# Altium PCB PCB1.PcbDoc (part 2 of 2)
Units mm, origin at the board's own origin, x right, y up, seen from the top; angles counter-clockwise.
Board outline 59.4 x 101.17 mm, 4 copper layers (Top Layer, Layer 1, Layer 2, Bottom Layer), stack 0.815 mm thick; 147 components, 75 nets, 963 pads, 627 vias.
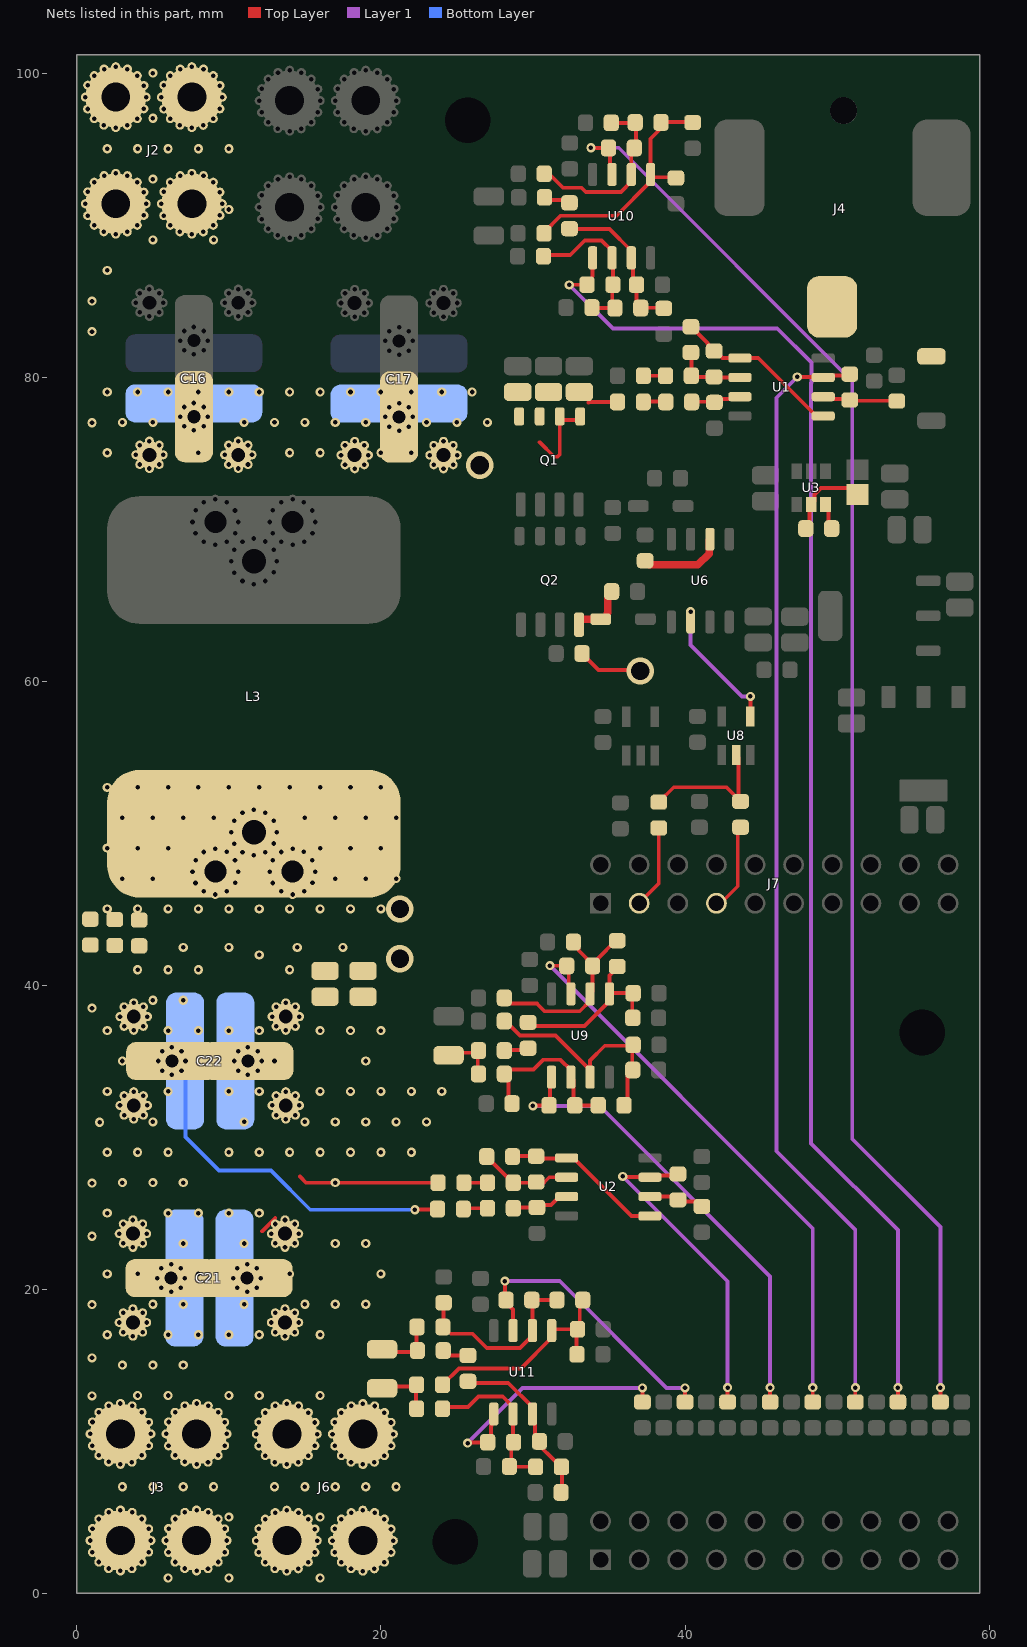
[diagram p4: the nets of this part, all layers, seen from the top]

## Via types
v1: diameter 0.6, hole 0.3, Top Layer to Bottom Layer, 610 vias
v2: diameter 1.8, hole 1.2, Top Layer to Bottom Layer, 17 vias

## Nets (pads, with @x,y where several pads share a name; then routed paths per layer and width w, separated by ;. In a path a pad name is that pad's centre, name@x,y a point inside that pad or via, vN(x,y) a via of type N, cw(c..) or ccw(c..) an arc to the next point about the centre after c; other vN are vias at no path point) (continued)
LO_2: D3.2 Q2.4 R24.2 R26.2 | length 7.9
  Top Layer w0.254: Q2.4@33.03,63.925 Q2.4@33.188,64.083 ; R24.2@33.225,61.825 34.319,60.731 36.994,60.731 v2(37.05,60.675)
  Top Layer w0.5: Q2.4@33.03,63.925 33.105,63.85 Q2.4@33.105,63.575 ; Q2.4@33.188,64.083 D3.2@34.452,64.083 34.747,64.083 34.883,64.219 34.883,64.485 34.91,64.512 R26.2@34.91,65.441
LPWM: LO1.1 LO2.1 U8.2 | length 9.1
  Top Layer w0.254: LO1.1@38.275,52.05 39.256,53.031 42.719,53.031 LO2.1@43.508,52.242 ; U8.2@43.366,55.143 43.508,55.002 LO2.1@43.508,52.242 ; LO2.1@43.65,52.1 LO2.1@43.508,52.242
LPWM1: J7.03 LO1.2 | length 5.5
  Top Layer w0.254: J7.03@36.985,45.4 38.275,46.69 LO1.2@38.275,50.35
LPWM2: J7.07 LO2.2 | length 5.8
  Top Layer w0.254: J7.07@42.065,45.4 42.35,45.4 43.468,46.518 43.468,50.218 LO2.2@43.65,50.4
LPWM_5V: U6.6 U8.4 | length 8.9
  Top Layer w0.254: v1(44.3,59) 44.303,58.997 44.303,57.687 U8.4@44.306,57.683
  Layer 1 w0.254: v1(40.371,64.584) 40.371,62.379 43.75,59 v1(44.3,59)
NetC1_1: C1.1 R1.1 R4.2 U1.2 | length 4.8
  Top Layer w0.254: C1.1@40.387,81.619 40.424,81.581 40.424,80.101 R4.2@40.412,80.088 40.481,80.019 R1.1@41.912,80.019 ; R1.1@41.941,79.979 43.604,79.979 U1.2@43.61,79.985
NetC1_2: C1.2 R1.2 U1.1 U1.5 | length 11.1
  Top Layer w0.254: C1.2@40.387,83.319 40.42,83.319 40.81,82.929 40.81,82.914 41.489,82.235 41.489,82.209 41.912,81.786 R1.2@41.912,81.719 ; R1.2@42,81.724 42.469,81.255 U1.1@43.61,81.255 44.82,81.255 48.63,77.445 U1.5@49.09,77.445
NetC4_1: C4.1 R10.1 R13.2 U2.2 | length 6
  Top Layer w0.254: C4.1@26.96,28.74 26.96,28.707 27.349,28.317 27.383,28.317 28.262,27.439 28.32,27.439 28.71,27.049 R13.2@28.71,27.016 30.16,27.016 R10.1@30.21,27.065 ; R10.1@30.51,26.816 31.074,27.38 U2.2@32.215,27.38
NetC4_2: C4.2 R10.2 U2.1 U2.5 | length 10.5
  Top Layer w0.254: C4.2@28.66,28.74 28.697,28.778 30.197,28.778 R10.2@30.21,28.765 R10.2@30.302,28.857 ; R10.2@30.528,28.608 32.173,28.608 U2.1@32.215,28.65 32.675,28.65 36.485,24.84 U2.5@37.695,24.84
NetC10_1: C10.1 U3.6 | length 2
  Top Layer w0.254: U3.6@49.241,71.619 49.445,71.415 49.445,70.239 C10.1@49.816,69.868
NetC10_2: C10.2 L1.1 U3.5 | length 5.8
  Top Layer w0.254: C10.2@48.116,69.868 48.178,69.931 48.178,71.506 48.509,71.837 48.509,72.14 48.51,72.141 48.51,72.277 48.951,72.719 50.912,72.719 L1.1@51.35,72.28
NetC26_1: C26.1 U6.2 | length 5.6
  Top Layer w0.5: C26.1@37.375,67.925 37.65,67.65 40.84,67.65 41.591,68.4 41.591,69.294 U6.2@41.641,69.344
NetC29_2: C29.2 C31.1 R27.1 R28.2 U9.2 | length 11
  Top Layer w0.254: R28.2@28.118,34.301 R28.2@28.291,34.473 ; R28.2@28.179,34.114 R28.2@28.118,34.176 28.4,33.894 28.4,32.45 C29.2@28.625,32.225 C29.2@28.664,32.264 ; R28.2@28.409,34.473 30.042,34.473 30.672,35.104 31.81,35.104 32.491,34.423 U9.2@32.491,33.963 32.664,33.79 R27.1@32.664,32.347 ; R27.1@32.664,32.197 R27.1@32.753,32.108 32.755,32.11 34.288,32.11 C31.1@34.291,32.113
NetC31_2: C31.2 C32.1 R31.2 R32.2 U9.3 | length 15.2
  Top Layer w0.254: R31.2@28.236,37.615 29.149,36.703 31.481,36.703 U9.3@33.761,34.423 ; U9.3@33.761,33.963 U9.3@33.761,34.423 ; C31.2@35.991,32.113 36.22,32.342 36.22,33.044 36.222,33.046 36.222,34.094 R32.2@36.566,34.438 ; R32.2@36.528,34.475 36.528,36.025 34.725,36.025 33.761,35.061 U9.3@33.761,34.423
NetC34_2: C34.2 C37.1 R33.1 R35.2 U9.6 | length 13
  Top Layer w0.254: R35.2@28.118,39.127 R35.2@28.443,38.801 ; R35.2@28.562,38.801 30.274,38.801 ; 30.274,38.79 30.763,38.302 33.08,38.302 33.761,38.983 U9.6@33.761,39.443 33.918,39.6 R33.1@33.918,41.09 ; C34.2@32.745,42.935 C34.2@32.661,42.851 32.577,42.766 32.679,42.766 33.008,42.437 33.008,42.296 33.923,41.381 R33.1@33.923,41.281 34.27,41.628 34.27,41.768 35.441,42.938 C37.1@35.541,42.938
NetC35_2: C35.2 C39.1 R34.1 R39.2 U10.2 | length 10
  Top Layer w0.254: R39.2@30.944,88.042 32.455,88.042 33.404,88.99 34.516,88.99 35.197,88.309 U10.2@35.197,87.849 35.266,87.78 R34.1@35.266,86.171 ; C35.2@33.875,84.575 C35.2@33.879,84.579 ; C35.2@33.911,84.543 35.386,84.543 C39.1@35.39,84.547 ; C39.1@35.212,84.73 35.212,86.039 R34.1@35.256,86.083 R34.1@35.237,86.102
NetC37_2: C37.2 C38.1 R38.2 R43.2 U9.5 | length 11.7
  Top Layer w0.254: R38.2@29.672,37.564 R38.2@29.869,37.367 ; R38.2@30.021,37.338 33.386,37.338 35.031,38.983 U9.5@35.031,39.443 ; C37.2@35.541,41.238 35.541,41.171 35.031,40.661 U9.5@35.031,39.443 ; R43.2@36.566,37.863 36.528,37.9 36.528,39.425 C38.1@36.591,39.488 35.076,39.488 U9.5@35.031,39.443
NetC39_2: C39.2 C41.1 R42.2 R45.2 U10.3 | length 9.7
  Top Layer w0.254: R42.2@32.53,89.747 35.029,89.747 36.467,88.309 U10.3@36.467,87.849 36.589,87.728 C41.1@36.589,86.324 ; C41.1@36.559,86.254 36.799,86.014 C39.2@36.799,84.754 ; C39.2@37.09,84.547 37.104,84.561 38.564,84.561 R45.2@38.6,84.525
NetC43_2: C43.2 C46.1 R46.1 R48.2 U11.2 | length 10.6
  Top Layer w0.254: R48.2@24.47,12.268 25.738,12.268 26.425,12.955 28.011,12.955 28.692,12.274 U11.2@28.692,11.814 28.692,10.125 R46.1@28.55,9.983 ; R46.1@28.6,9.958 28.575,9.933 28.575,8.483 C43.2@28.45,8.358 28.462,8.345 30.162,8.345 C46.1@30.175,8.333 ; R46.1@29.029,10.272 R46.1@29.09,10.211
NetC45_2: C45.2 C47.1 R47.1 R50.2 U10.6 | length 11.4
  Top Layer w0.254: R50.2@30.738,93.374 R50.2@30.798,93.374 ; R50.2@30.908,93.519 31.968,92.459 33.199,92.459 33.47,92.188 35.786,92.188 36.467,92.869 U10.6@36.467,93.329 R47.1@36.467,94.692 ; C45.2@35.164,96.711 36.559,96.711 36.765,96.505 36.765,95.172 R47.1@36.665,95.072
NetC46_2: C46.2 C48.1 R52.2 R56.2 U11.3 | length 11.4
  Top Layer w0.254: R52.2@25.722,13.958 R52.2@25.939,13.958 ; R52.2@25.906,13.958 26.006,13.858 28.378,13.858 29.962,12.274 29.962,11.341 30.132,11.172 30.132,10.396 30.292,10.236 C48.1@30.39,10.236 ; C48.1@30.275,9.983 30.275,9.883 31.478,8.68 31.561,8.68 31.875,8.366 C46.2@31.875,8.333 31.914,8.294 31.914,6.715 R56.2@31.852,6.654 R56.2@31.877,6.629
NetC47_2: C47.2 C50.1 R54.2 R57.2 U10.5 | length 16.5
  Top Layer w0.254: R54.2@30.724,89.456 30.724,89.523 31.817,90.616 35.484,90.616 37.737,92.869 U10.5@37.737,93.321 ; U10.5@37.909,93.735 U10.5@37.737,93.563 ; C47.2@38.425,96.75 38.45,96.775 40.475,96.775 R57.2@40.5,96.75 R57.2@40.525,96.775 ; C47.2@38.465,96.505 38.465,96.405 37.737,95.678 U10.5@37.737,93.563 ; C50.1@39.4,93.1 39.35,93.15 37.909,93.15 U10.5@37.737,93.321 ; U10.5@37.737,93.321 U10.5@37.737,93.329 U10.5@37.737,93.563
NetC52_2: C52.2 C53.1 R58.1 R59.2 U11.6 | length 11.5
  Top Layer w0.254: R59.2@24.075,17.533 24.125,17.583 24.125,19.1 24.113,19.113 C52.2@24.125,19.125 ; 24.597,17.088 26.029,17.088 26.964,16.153 29.156,16.153 U11.6@29.716,16.713 ; U11.6@29.962,16.834 U11.6@29.962,17.294 29.969,17.3 29.969,19.264 R58.1@29.925,19.308 C53.1@31.575,19.308
NetC53_2: C53.2 C54.1 R61.2 R62.2 U11.5 | length 14
  Top Layer w0.254: R61.2@24.05,13.733 25.125,14.808 29.206,14.808 U11.5@31.232,16.834 ; U11.5@31.232,17.294 31.321,17.383 C54.1@32.925,17.383 ; R62.2@32.9,15.733 32.862,15.77 32.862,17.32 C54.1@32.925,17.383 ; C53.2@33.275,19.308 33.075,19.108 33.075,17.533 C54.1@32.925,17.383
NetD1_1: D1.1 J4.1
NetL3_1: L3.1 R20.1 R22.1 R23.1
  other v1: 2,45.025 4,45.025 6,45.025 8,45.025 10,45.025 12,45.025 14,45.025 16,45.025 18,45.025 20,45.025 3,47.025 5,47.025 17,47.025 19,47.025 21,47.025 2,49.025 4,49.025 6,49.025 16,49.025 18,49.025 20,49.025 3,51.025 5,51.025 7,51.025 9,51.025 15,51.025 17,51.025 19,51.025 21,51.025 2,53.025 4,53.025 6,53.025 8,53.025 10,53.025 12,53.025 14,53.025 16,53.025 18,53.025 20,53.025
  other v2: 21.25,45.025
NetR2_1: R2.1 R5.2 U1.6 | length 4.8
  Top Layer w0.254: U1.6@49.09,78.715 49.238,78.567 R2.1@50.639,78.567 ; R2.1@50.739,78.592 R2.1@50.837,78.494 50.887,78.444 53.819,78.444 R5.2@53.875,78.5
NetR2_2: R2.2 R6.1 U1.7 | length 74.2
  Top Layer w0.254: v1(47.381,80.019) 47.398,80.002 49.073,80.002 U1.7@49.09,79.985 49.207,80.102 R2.2@50.67,80.102 ; R2.2@50.77,80.127 R2.2@50.837,80.194 R2.2@51.184,80.541 ; R6.1@51.2,12.6 v1(51.2,13.55)
  Layer 1 w0.254: v1(47.381,80.019) 46.008,78.646 46.008,29.092 51.2,23.9 v1(51.2,13.55)
  Bottom Layer w0.254: v1@47.325,80.075 v1(47.381,80.019)
NetR3_2: R3.2 R4.1 | length 1.6
  Top Layer w0.254: R3.2@37.325,80.026 R3.2@37.262,80.088 R4.1@38.712,80.088 R4.1@38.649,80.151
NetR7_2: R7.2 R8.1 | length 1.6
  Top Layer w0.254: R7.2@37.262,78.369 R7.2@37.436,78.194 ; R7.2@37.437,78.399 R8.1@38.787,78.399
NetR8_2: R8.2 R9.2 U1.3 | length 3.5
  Top Layer w0.254: R8.2@40.437,78.369 40.449,78.381 41.899,78.381 R9.2@41.937,78.344 ; R9.2@41.752,78.694 41.897,78.549 41.904,78.556 43.451,78.556 U1.3@43.61,78.715
NetR11_1: R11.1 R14.2 U2.6 | length 3.5
  Top Layer w0.254: U2.6@37.695,26.11 39.265,26.11 39.485,25.89 39.597,25.778 40.897,25.778 R14.2@41.01,25.665
NetR11_2: R11.2 R15.1 U2.7 | length 21.2
  Top Layer w0.254: v1(35.907,27.432) 35.933,27.406 37.669,27.406 U2.7@37.695,27.38 37.8,27.485 39.279,27.485 R11.2@39.357,27.563 ; R15.1@42.8,12.6 v1(42.8,13.55)
  Layer 1 w0.254: v1(35.907,27.432) 42.8,20.539 v1(42.8,13.55)
NetR12_2: R12.2 R13.1 | length 1.6
  Top Layer w0.254: R12.2@25.46,27.016 R13.1@27.01,27.016
NetR16_2: R16.2 R17.1 | length 1.4
  Top Layer w0.254: R16.2@25.574,25.341 R17.1@27.01,25.341
NetR17_2: R17.2 R18.2 U2.3 | length 3.8
  Top Layer w0.254: R17.2@28.71,25.341 28.76,25.39 R18.2@30.26,25.39 ; R18.2@30.236,25.554 31.187,25.554 31.743,26.11 U2.3@32.215,26.11
NetR27_2: R27.2 R29.1 U9.1 | length 31.4
  Top Layer w0.254: v1(29.995,32.072) 30.013,32.09 31.035,32.09 R27.2@31.053,32.108 R27.2@31.112,32.167 ; R27.2@31.112,32.317 31.112,33.854 U9.1@31.221,33.963 ; R29.1@45.6,12.6 v1(45.6,13.55)
  Layer 1 w0.254: v1(29.995,32.072) 30.006,32.06 34.39,32.06 45.6,20.85 v1(45.6,13.55)
NetR33_2: R33.2 R36.1 U9.7 | length 38.6
  Top Layer w0.254: v1(31.116,41.295) 31.123,41.288 32.175,41.288 R33.2@32.182,41.295 ; R33.2@32.358,41.065 32.358,39.575 U9.7@32.491,39.443 ; R36.1@48.4,12.6 v1(48.4,13.55)
  Layer 1 w0.254: v1(31.116,41.295) 48.4,24.011 v1(48.4,13.55)
NetR34_2: R34.2 R40.1 U10.1 | length 91.8
  Top Layer w0.254: v1(32.39,86.072) 32.395,86.077 33.551,86.077 R34.2@33.556,86.083 33.556,86.249 R34.2@33.898,86.591 ; 33.927,86.661 U10.1@33.927,87.849 ; R40.1@54,12.6 v1(54,13.55)
  Layer 1 w0.254: v1(32.39,86.072) 35.258,83.204 46.064,83.204 48.308,80.96 48.308,79.635 48.297,79.624 48.297,29.603 54,23.9 v1(54,13.55)
NetR37_2: R37.2 R38.1 | length 1.5
  Top Layer w0.254: R37.2@28.118,35.712 R37.2@28.144,35.738 ; R37.2@28.262,35.738 R38.1@29.546,35.738 ; R38.1@29.554,35.738 R38.1@29.68,35.864
NetR42_1: R42.1 R44.2 | length 1.6
  Top Layer w0.254: R44.2@30.762,91.823 R44.2@30.924,91.661 ; 31.275,91.659 32.318,91.659 R42.1@32.53,91.447
NetR46_2: R46.2 R49.1 U11.1 | length 17.3
  Top Layer w0.254: v1(25.7,9.9) 25.729,9.929 R46.2@26.996,9.929 ; R46.2@26.85,9.983 26.85,10.074 27.251,10.475 27.251,11.032 27.263,11.044 27.263,11.655 U11.1@27.422,11.814 ; R49.1@37.2,12.6 v1(37.2,13.523)
  Layer 1 w0.254: v1(25.7,9.9) 25.87,10.07 29.323,13.523 v1(37.2,13.523)
NetR47_2: R47.2 R53.1 U10.7 | length 95.9
  Top Layer w0.254: v1(33.808,95.087) 33.815,95.079 34.958,95.079 R47.2@34.965,95.072 R47.2@35.047,94.989 ; R47.2@35.065,94.825 35.065,93.462 U10.7@35.197,93.329 ; R53.1@56.8,12.6 v1(56.8,13.55)
  Layer 1 w0.254: v1(33.808,95.087) 35.638,95.087 51,79.725 51,29.9 56.8,24.1 v1(56.8,13.55)
NetR52_1: R52.1 R55.2 | length 1.5
  Top Layer w0.254: R55.2@24.1,15.983 R55.2@24.133,15.95 ; R55.2@24.438,15.664 R52.1@25.849,15.664
NetR58_2: R58.2 R60.1 U11.7 | length 19.2
  Top Layer w0.254: v1(28.15,20.55) 28.163,20.537 28.163,19.37 R58.2@28.225,19.308 28.225,19.141 28.692,18.674 U11.7@28.692,17.294 ; R60.1@40,12.6 v1(40,13.523)
  Layer 1 w0.254: v1(28.15,20.55) 30.7,20.55 31.765,20.55 38.792,13.523 v1(40,13.523)
V1: C16.1 C17.1 C18.1 C19.1 C20.1 J2.1 J2.2 J2.3 J2.4 Q1.5 Q1.6 Q1.7 Q1.8 R7.1 | length 7.8
  Top Layer w0.254: 30.439,75.723 31.401,74.761 31.611,74.761 31.76,74.91 Q1.6@31.76,77.176 ; Q1.7@30.439,77.176 Q1.7@30.439,77.418 ; Q1.6@31.76,77.418 Q1.6@31.76,77.176 ; Q1.5@33.106,77.176 Q1.6@31.76,77.176 ; 33.65,78.325 33.694,78.369 R7.1@35.562,78.369
  other v1: 2,75.025 8,75.025 14,75.025 16,75.025 20,75.025 22,75.025 1,77 3,77.025 5,77.025 11,77.025 13,77.025 15,77.025 17,77.025 19,77.025 23,77.025 25,77.025 27,77.025 2,79.025 4,79.025 6,79.025 8,79.025 10,79.025 12,79.025 14,79.025 16,79.025 18,79.025 20,79.025 22,79.025 24,79.025 26,79.025 1,83 1,85 2,87.025 5,89.025 9,89.025 10,91.025 5,93.025 2,95.025 4,95.025 6,95.025 8,95.025 10,95.025 5,97.025 5,100
  other v2: 26.5,74.2
V2: C21.1 C22.1 C23.1 C24.1 J3.1 J3.2 J3.3 J3.4 R16.1 R20.2 R22.2 R23.2 | length 23.5
  Top Layer w0.254: v1@22.253,25.268 23.701,25.268 R16.1@23.724,25.291
  Bottom Layer w0.254: C22.1@7.125,35.025 7.15,35 7.15,30.038 9.361,27.827 12.773,27.827 15.355,25.245 v1(22.23,25.245)
  other v1: 6,1.025 10,1.025 10,5.025 3,7.025 5,7.025 7,7.025 9,7.025 1,13 4,13.025 6,13.025 10,13.025 3,15.025 5,15.025 7,15.025 1,15.5 2,17.025 6,17.025 8,17.025 1,19 5,19.025 7,19.025 2,21.025 4,21.025 8,21.025 7,23.025 1,23.5 2,25.025 6,25.025 8,25.025 1,27 3,27.025 5,27.025 7,27.025 2,29.025 4,29.025 6,29.025 1.5,31 5,31.025 2,33.025 6,33.025 3,35.025 2,37.025 6,37.025 8,37.025 1,38.5 5,39.025 7,39.025 4,41.025 6,41.025 8,41.025 14,41.025 12,42 7,42.5 10,42.5 14.5,42.5 17.5,42.5
  other v2: 21.25,41.75
V3: J6.1 J6.2 J6.3 J6.4 R48.1 R51.2 R61.1 | length 3.9
  Top Layer w0.254: R51.2@20.191,13.616 22.234,13.616 R61.1@22.3,13.683 ; R51.2@20.616,13.525 R51.2@20.686,13.595 ; R48.1@22.35,12.158 22.3,12.208 R61.1@22.3,13.683 ; R61.1@22.35,13.733 R61.1@22.3,13.683
  other v1: 16,1.025 16,5.025 13,7.025 15,7.025 17,7.025 19,7.025 21,7.025 12,13.025 16,13.025
V4: C21.2 C22.2 C23.2 C24.2 R12.1 R28.1 R30.2 R37.1 R51.1 R55.1 R59.1 | length 17.3
  Top Layer w0.254: 12.175,23.825 13.05,24.7 ; 14.675,27.425 15.084,27.016 R12.1@23.76,27.016 R12.1@23.747,27.028 ; R51.1@20.691,16.09 20.888,15.894 22.375,15.894 22.337,15.931 22.337,17.495 R59.1@22.375,17.533 ; R30.2@24.601,35.431 24.741,35.571 26.278,35.571 R37.1@26.368,35.662 ; R28.1@26.418,34.301 26.368,34.351 R37.1@26.368,35.662 ; R37.1@26.418,35.712 R37.1@26.368,35.662
  other v1: 10,17.025 12,17.025 16,17.025 11,19.025 15,19.025 17,19.025 19,19.025 14,21.025 20,21.025 11,23.025 17,23.025 19,23.025 10,25.025 12,25.025 17,27.025 10,29.025 12,29.025 14,29.025 16,29.025 18,29.025 20,29.025 22,29.025 11,31.025 15,31.025 17,31.025 19,31.025 21,31.025 23,31.025 10,33.025 12,33.025 16,33.025 18,33.025 20,33.025 22,33.025 24,33.025 13,35.025 19,35.025 10,37.025 12,37.025 16,37.025 18,37.025 20,37.025
pads on no net: J1.02 J1.03 J1.05 J1.07 J1.09 J1.11 J1.13 J1.15 J1.17 J1.19 J4. J7.04 J7.06 J7.08 J7.09 J7.10 J7.11 J7.12 J7.13 J7.14 J7.15 J7.16 J7.17 J7.19 U4.2 U5.2 U7.1 U8.1

## Polygon pours and split planes (outlines as drawn)
GND_AD on Top Layer "GND_AD_L01_P082" (solid, remove dead copper, pour order 82): 33.912,56.7 ccw(c33.912,55.488) 32.7,55.488 32.7,52.014 32.7,47.327 cw(c30.16,47.327) 31.956,45.531 26.862,40.437 ccw(c28.658,38.641) 26.118,38.641 26.118,31.354 26.118,25.12 cw(c23.578,25.12) 25.374,23.324 24.812,22.762 24.144,22.094 ccw(c25.758,20.479) 23.475,20.479 23.475,10.725 23.475,1.725 ccw(c25.175,1.725) 25.175,0.025 42.707,0.025 58,0.025 ccw(c58,1.425) 59.4,1.425 59.4,9.866 59.4,55.533 59.4,99.189 ccw(c57.389,99.19) 57.389,101.2 30.8,101.2 ccw(c30.8,99.251) 28.851,99.251 28.851,85.049 ccw(c30.1,85.049) 30.1,83.8 31.618,83.8 33.634,83.8 cw(c33.634,81.784) 35.65,81.784 35.65,80.45 35.65,78.775 ccw(c37.325,78.775) 37.325,77.1 38.091,77.1 cw(c38.091,71.416) 43.775,71.416 43.775,70.771 ccw(c45.334,70.771) 44.232,69.668 45.266,68.634 45.556,68.344 cw(c43.761,66.548) 46.3,66.548 46.3,58 cw(c45,58) 45,56.7
HO_2 on Top Layer "HO_2_L01_P119" (solid, remove dead copper, pour order 119): 32.68,70.988 ccw(c32.842,70.988) 32.842,70.825 37.1,70.825 ccw(c37.1,71.332) 37.607,71.332 37.607,72.207 cw(c38.2,72.207) 38.2,72.8 ccw(c38.2,73.05) 38.45,73.05 38.45,73.65 ccw(c38.2,73.65) 38.2,73.9 35.925,73.9 ccw(c35.925,72.8) 34.825,72.8 cw(c34.45,72.8) 34.45,72.425 32.842,72.425 ccw(c32.842,72.263) 32.68,72.263
HO_1 on Top Layer "HO_1_L01_P078" (solid, remove dead copper, pour order 78): 39.84,71.05 cw(c39.84,70.82) 40.071,70.82 40.071,69.169 40.675,69.169 40.675,73.55 ccw(c40.322,73.55) 40.322,73.903 39.399,73.903 ccw(c39.399,73.654) 39.15,73.654 39.15,72.477 39.15,71.763 39.15,71.375 ccw(c39.475,71.375) 39.475,71.05
GND_P on Top Layer "GND_P_L01_P066" (solid, pour order 66): 28.1,84 ccw(c28.85,84) 28.85,83.25 31.112,83.25 33.55,83.25 cw(c33.55,82.725) 34.075,82.725 34.075,80.526 cw(c33.774,80.526) 33.774,80.225 24.15,80.225 14.225,80.225 3.975,80.225 cw(c3.975,81) 3.2,81 3.2,83.987 3.2,86.6 cw(c4.35,86.6) 4.35,87.75 8.9,87.75 14.6,87.75 20.2,87.75 24.725,87.75 ccw(c24.725,88.825) 25.8,88.825 25.8,89.371 cw(c26.346,89.371) 26.346,89.916 26.95,89.916 27.793,89.916 cw(c27.793,89.61) 28.1,89.61 28.1,86.583
GND on Top Layer "GND_L01_P062" (solid, remove dead copper, pour order 62): 22,100.1 ccw(c20.9,100.1) 20.9,101.2 19.65,101.2 15.4,101.2 12.3,101.2 ccw(c12.3,100.05) 11.15,100.05 11.15,90.05 ccw(c12.675,90.05) 12.675,88.525 18.15,88.525 24.225,88.525 ccw(c24.225,89.45) 25.15,89.45 25.15,90.081 cw(c25.669,90.081) 25.669,90.599 27.65,90.599 ccw(c27.65,91.099) 28.15,91.099 28.15,92.45 ccw(c27.8,92.45) 27.8,92.8 23.8,92.8 cw(c23.8,94.6) 22,94.6 22,97
HS on Top Layer "HS_L01_P064" (solid, pour order 64): 23.141,64.8 cw(c24.047,63.895) 24.047,65.175 25.923,65.175 28.33,65.175 33.475,65.175 ccw(c33.475,65.4) 33.7,65.4 33.7,69.95 ccw(c33.475,69.95) 33.475,70.175 32.417,70.175 cw(c32.417,70.533) 32.06,70.533 32.06,72.262 ccw(c31.897,72.263) 31.897,72.425 1.425,72.425 ccw(c1.425,71) 0,71 0,65.2 ccw(c1.525,65.2) 1.525,63.675 11.2,63.675 20.964,63.675 ccw(c20.964,66.215) 22.76,64.419 22.766,64.425
LO_1 on Top Layer "LO_1_L01_P076" (solid, remove dead copper, pour order 76): 41.749,65.625 cw(c41.749,64.763) 42.611,64.763 42.611,63.902 43.211,63.902 43.211,65.589 ccw(c42.325,65.589) 42.325,66.475 41.514,66.475 39.818,66.475 36.645,66.475 ccw(c36.645,66.255) 36.425,66.255 36.425,64.184 ccw(c36.911,64.184) 36.911,63.697 37.886,63.697 ccw(c37.886,63.986) 38.175,63.986 38.175,64.925 cw(c38.875,64.925) 38.875,65.625
V1 on Top Layer "V1_L01_P061" (solid, remove dead copper, pour order 61): 2.6,80.7 ccw(c3.793,80.7) 3.793,79.507 18.134,79.507 33.668,79.507 cw(c33.668,79.15) 34.025,79.15 34.025,76.29 34.025,73.661 cw(c33.438,73.661) 33.438,73.074 1.426,73.074 cw(c1.426,74.5) 0,74.5 0,99.7 cw(c1.5,99.7) 1.5,101.2 5.262,101.2 9.115,101.2 cw(c9.115,99.79) 10.525,99.79 10.525,89.872 cw(c9.178,89.872) 9.178,88.525 5.889,88.525 4.125,88.525 ccw(c4.125,87) 2.6,87
NetD1_1 on Top Layer "NETD1_1_L01_P075" (solid, pour order 75): 48.025,82.595 55.273,82.595 55.273,80.837 57.127,80.837 57.127,86.655 48.025,86.655
15V on Top Layer "15V_L01_P074" (solid, pour order 74): 54.565,67.174 54.565,66 59.4,66 59.4,77.933 54.973,77.933 54.973,76.6 44.075,76.6 44.075,72.921 48.636,72.921 48.636,75.018 56.8,75.018 56.8,67.174
LO_2 on Top Layer "LO_2_L01_P067" (solid, remove dead copper, pour order 67): 34.875,66.45 34.55,66.45 ccw(c34.55,66.2) 34.3,66.2 34.3,64.901 cw(c33.924,64.901) 33.924,64.525 32.867,64.525 ccw(c32.867,64.363) 32.705,64.363 32.705,61.715 ccw(c33.295,61.715) 33.295,61.125 34.845,61.125 ccw(c34.845,61.919) 35.64,61.919 35.64,63.788 35.64,66.24 ccw(c35.43,66.24) 35.43,66.45
NetL3_1 on Top Layer "NETL3_1_L01_P069" (solid, pour order 69): 0.691,43.8 cw(c0.691,44.491) 0,44.491 0,46.391 0,52.9 cw(c1.265,52.9) 1.265,54.165 11.275,54.165 21.034,54.165 cw(c21.035,52.65) 22.55,52.65 22.55,44.75 cw(c21.6,44.75) 21.6,43.8
GND_P on Top Layer "GND_P_L01_P070" (solid, remove dead copper, pour order 70): 25.45,38.509 25.45,38.798 cw(c27.99,38.798) 26.194,40.594 31.331,45.731 ccw(c29.535,47.527) 32.075,47.527 32.075,55.5 32.075,64.373 ccw(c31.923,64.373) 31.922,64.525 27.65,64.525 24.025,64.525 ccw(c24.025,63.725) 23.225,63.725 23.225,37.766 ccw(c23.824,37.766) 23.824,37.167 24.952,37.167 ccw(c24.952,37.665) 25.45,37.665
V2 on Top Layer "V2_L01_P071" (solid, pour order 71): 10.04,14.165 cw(c10.04,13.606) 10.6,13.606 10.6,1.2 cw(c9.425,1.2) 9.425,0.025 6.57,0.025 1.575,0.025 cw(c1.575,1.6) 0,1.6 0,10.834 0,21.643 0,42.259 cw(c0.891,42.259) 0.891,43.15 11.262,43.15 21.85,43.15 cw(c21.85,42.475) 22.525,42.475 22.525,41.106 cw(c21.844,41.106) 21.844,40.425 9.825,40.425 ccw(c9.825,38.961) 8.361,38.961 8.361,15.285 ccw(c9.481,15.285) 9.481,14.165
V3 on Top Layer "V3_L01_P072" (solid, remove dead copper, pour order 72): 21.35,13.268 ccw(c20.393,13.268) 20.393,14.225 12.325,14.225 ccw(c12.325,13.15) 11.25,13.15 11.25,7.125 11.25,1.15 ccw(c12.375,1.15) 12.375,0.025 16.3,0.025 20.025,0.025 ccw(c20.025,1.35) 21.35,1.35 21.35,7.125
V4 on Top Layer "V4_L01_P073" (solid, remove dead copper, pour order 73): 25.45,33.638 25.45,32.327 cw(c22.91,32.327) 24.706,30.531 22.044,27.869 ccw(c23.84,26.073) 21.3,26.073 21.3,24.106 21.3,21.088 21.3,15.99 cw(c20.36,15.99) 20.36,15.05 15.212,15.05 10.25,15.05 cw(c10.25,16.175) 9.125,16.175 9.125,28.683 9.125,38.725 cw(c10.175,38.725) 10.175,39.775 12.522,39.775 15.918,39.775 21.375,39.775 cw(c21.375,38.6) 22.55,38.6 22.55,36.944 ccw(c23.494,36.944) 23.494,36 24,36 25.15,36 cw(c25.15,35.7) 25.45,35.7
GND_AD on Bottom Layer "GND_AD_L04_P095" (solid, remove dead copper, pour order 95): 34.984,84.448 cw(c34.984,83.782) 35.65,83.782 35.65,82.449 35.65,80.45 35.65,78.775 ccw(c37.325,78.775) 37.325,77.1 38.091,77.1 cw(c38.091,71.416) 43.775,71.416 43.775,70.771 ccw(c45.334,70.771) 44.232,69.668 45.266,68.634 45.556,68.344 cw(c43.761,66.548) 46.3,66.548 46.3,58 cw(c45,58) 45,56.7 34.7,56.7 34.7,48.275 26.862,40.437 ccw(c28.658,38.641) 26.118,38.641 26.118,31.354 26.118,25.12 cw(c23.579,25.12) 25.374,23.324 24.812,22.762 24.144,22.094 ccw(c25.758,20.479) 23.475,20.479 23.475,10.725 23.475,1.725 ccw(c25.175,1.725) 25.175,0.025 42.707,0.025 58,0.025 ccw(c58,1.425) 59.4,1.425 59.4,9.866 59.4,55.533 59.4,99.189 ccw(c57.39,99.19) 57.389,101.2 30.8,101.2 ccw(c30.8,99.251) 28.851,99.251 28.851,85.049 ccw(c29.452,85.049) 29.452,84.448 32.125,84.448
HS on Bottom Layer "HS_L04_P118" (solid, pour order 118): 20.41,63.675 ccw(c20.41,66.215) 22.206,64.419 26.856,69.069 ccw(c25.06,70.865) 27.6,70.865 27.6,71.9 ccw(c27.101,71.9) 27.101,72.399 22.5,72.425 1.425,72.425 ccw(c1.425,71) 0,71 0,65.2 ccw(c1.525,65.2) 1.525,63.675 11.2,63.675
V4 on Bottom Layer "V4_L04_P098" (solid, remove dead copper, pour order 98): 25.45,33.638 25.45,32.327 cw(c22.91,32.327) 24.706,30.531 22.044,27.869 ccw(c23.84,26.073) 21.3,26.073 21.3,24.106 21.3,21.088 21.3,15.99 cw(c20.36,15.99) 20.36,15.05 15.212,15.05 10.25,15.05 cw(c10.25,16.175) 9.125,16.175 9.125,28.683 9.125,38.725 cw(c10.175,38.725) 10.175,39.775 12.522,39.775 15.918,39.775 21.375,39.775 cw(c21.375,38.6) 22.55,38.6 22.55,36.944 ccw(c23.494,36.944) 23.494,36 24,36 25.15,36 cw(c25.15,35.7) 25.45,35.7
GND_P on Bottom Layer "GND_P_L04_P080" (solid, remove dead copper, pour order 80): 33.616,83.25 cw(c33.616,82.841) 34.025,82.841 34.025,75.169 34.025,67.088 34.025,50.476 cw(c31.487,50.476) 33.281,48.681 26.194,41.594 ccw(c27.989,39.798) 25.45,39.798 25.45,39.258 25.45,37.665 cw(c24.952,37.665) 24.952,37.167 23.817,37.167 cw(c23.824,37.766) 23.225,37.774 23.225,51.149 23.225,63.473 cw(c25.765,63.473) 23.969,65.269 27.456,68.756 ccw(c25.661,70.552) 28.2,70.552 28.2,73.592 28.2,78.947 ccw(c26.922,78.947) 26.922,80.225 3.925,80.225 cw(c3.925,80.95) 3.2,80.95 3.2,83.987 3.2,86.6 cw(c4.35,86.6) 4.35,87.75 14.45,87.75 20.125,87.75 24.717,87.75 ccw(c24.717,88.833) 25.8,88.833 25.8,89.375 cw(c26.342,89.375) 26.342,89.916 26.95,89.916 27.793,89.916 cw(c27.793,89.61) 28.1,89.61 28.1,86.655 28.1,84 ccw(c28.85,84) 28.85,83.25
V1 on Bottom Layer "V1_L04_P086" (solid, remove dead copper, pour order 86): 14.597,79.507 3.793,79.507 cw(c3.793,80.7) 2.6,80.7 2.6,87.037 cw(c4.088,87.037) 4.088,88.525 9.178,88.525 ccw(c9.178,89.872) 10.525,89.872 10.525,99.79 ccw(c9.115,99.79) 9.115,101.2 5.262,101.2 1.5,101.2 ccw(c1.5,99.7) 0,99.7 0,74.5 ccw(c1.426,74.5) 1.426,73.074 26.874,73.074 ccw(c26.874,73.8) 27.6,73.8 27.6,76.29 27.6,78.5 ccw(c26.593,78.5) 26.593,79.507
V2 on Bottom Layer "V2_L04_P097" (solid, remove dead copper, pour order 97): 10.04,14.165 cw(c10.04,13.606) 10.6,13.606 10.6,1.2 cw(c9.425,1.2) 9.425,0.025 6.57,0.025 1.575,0.025 cw(c1.575,1.6) 0,1.6 0,10.834 0,21.643 0,42.259 cw(c0.891,42.259) 0.891,43.15 11.262,43.15 21.85,43.15 cw(c21.85,42.475) 22.525,42.475 22.525,41.106 cw(c21.844,41.106) 21.844,40.425 9.725,40.425 ccw(c9.725,39.061) 8.361,39.061 8.361,15.285 ccw(c9.481,15.285) 9.481,14.165
V3 on Bottom Layer "V3_L04_P092" (solid, remove dead copper, pour order 92): 21.35,13.268 ccw(c20.393,13.268) 20.393,14.225 12.325,14.225 ccw(c12.325,13.15) 11.25,13.15 11.25,7.125 11.25,1.15 ccw(c12.375,1.15) 12.375,0.025 16.3,0.025 20.025,0.025 ccw(c20.025,1.35) 21.35,1.35 21.35,7.125
NetL3_1 on Bottom Layer "NETL3_1_L04_P089" (solid, pour order 89): 0.691,43.8 cw(c0.691,44.491) 0,44.491 0,46.391 0,52.9 cw(c1.265,52.9) 1.265,54.165 11.275,54.165 21.034,54.165 cw(c21.035,52.65) 22.55,52.65 22.55,44.75 cw(c21.6,44.75) 21.6,43.8
GND on Bottom Layer "GND_L04_P087" (solid, remove dead copper, pour order 87): 22,100.1 ccw(c20.9,100.1) 20.9,101.2 19.65,101.2 15.4,101.2 12.3,101.2 ccw(c12.3,100.05) 11.15,100.05 11.15,90.05 ccw(c12.675,90.05) 12.675,88.525 18.15,88.525 24.225,88.525 ccw(c24.225,89.45) 25.15,89.45 25.15,90.081 cw(c25.669,90.081) 25.669,90.599 27.65,90.599 ccw(c27.65,91.099) 28.15,91.099 28.15,92.45 ccw(c27.8,92.45) 27.8,92.8 23.8,92.8 cw(c23.8,94.6) 22,94.6 22,97
GND_AD on Layer 1 "GND_AD_L02_P093" (solid, remove dead copper, pour order 93): 33.912,56.7 ccw(c33.912,55.488) 32.7,55.488 32.7,52.014 32.7,47.327 cw(c30.16,47.327) 31.956,45.531 26.862,40.437 ccw(c28.658,38.641) 26.118,38.641 26.118,31.354 26.118,25.12 cw(c23.578,25.12) 25.374,23.324 24.812,22.762 24.144,22.094 ccw(c25.758,20.479) 23.475,20.479 23.475,10.725 23.475,1.725 ccw(c25.175,1.725) 25.175,0.025 42.707,0.025 58,0.025 ccw(c58,1.425) 59.4,1.425 59.4,9.866 59.4,55.533 59.4,99.189 ccw(c57.389,99.19) 57.389,101.2 30.8,101.2 ccw(c30.8,99.251) 28.851,99.251 28.851,85.049 ccw(c30.1,85.049) 30.1,83.8 31.618,83.8 33.634,83.8 cw(c33.634,81.784) 35.65,81.784 35.65,80.45 35.65,78.775 ccw(c37.325,78.775) 37.325,77.1 38.091,77.1 cw(c38.091,71.416) 43.775,71.416 43.775,70.771 ccw(c45.334,70.771) 44.232,69.668 45.266,68.634 45.556,68.344 cw(c43.761,66.548) 46.3,66.548 46.3,58 cw(c45,58) 45,56.7
HS on Layer 1 "HS_L02_P117" (solid, pour order 117): 23.141,64.8 cw(c24.047,63.895) 24.047,65.175 25.923,65.175 28.33,65.175 33.475,65.175 ccw(c33.475,65.4) 33.7,65.4 33.7,69.95 ccw(c33.475,69.95) 33.475,70.175 32.417,70.175 cw(c32.417,70.533) 32.06,70.533 32.06,72.262 ccw(c31.897,72.263) 31.897,72.425 1.425,72.425 ccw(c1.425,71) 0,71 0,65.2 ccw(c1.525,65.2) 1.525,63.675 11.2,63.675 20.964,63.675 ccw(c20.964,66.215) 22.76,64.419 22.766,64.425
GND_P on Layer 1 "GND_P_L02_P108" (solid, remove dead copper, pour order 108): 25.445,38.514 25.445,38.803 cw(c27.985,38.803) 26.189,40.599 31.326,45.736 ccw(c29.53,47.532) 32.07,47.532 32.07,55.505 32.07,64.378 ccw(c31.917,64.378) 31.917,64.53 27.645,64.53 24.12,64.53 ccw(c24.12,63.63) 23.22,63.63 23.22,37.771 ccw(c23.819,37.771) 23.819,37.172 24.946,37.172 ccw(c24.946,37.671) 25.445,37.671
V4 on Layer 1 "V4_L02_P107" (solid, remove dead copper, pour order 107): 25.45,33.638 25.45,32.327 cw(c22.91,32.327) 24.706,30.531 22.044,27.869 ccw(c23.84,26.073) 21.3,26.073 21.3,24.106 21.3,21.088 21.3,15.99 cw(c20.36,15.99) 20.36,15.05 15.212,15.05 10.25,15.05 cw(c10.25,16.175) 9.125,16.175 9.125,28.683 9.125,38.725 cw(c10.175,38.725) 10.175,39.775 12.522,39.775 15.918,39.775 21.375,39.775 cw(c21.375,38.6) 22.55,38.6 22.55,36.944 ccw(c23.494,36.944) 23.494,36 24,36 25.15,36 cw(c25.15,35.7) 25.45,35.7
V3 on Layer 1 "V3_L02_P106" (solid, remove dead copper, pour order 106): 21.35,13.268 ccw(c20.393,13.268) 20.393,14.225 12.325,14.225 ccw(c12.325,13.15) 11.25,13.15 11.25,7.125 11.25,1.15 ccw(c12.375,1.15) 12.375,0.025 16.3,0.025 20.025,0.025 ccw(c20.025,1.35) 21.35,1.35 21.35,7.125
V2 on Layer 1 "V2_L02_P105" (solid, pour order 105): 10.04,14.165 cw(c10.04,13.606) 10.6,13.606 10.6,1.2 cw(c9.425,1.2) 9.425,0.025 6.57,0.025 1.575,0.025 cw(c1.575,1.6) 0,1.6 0,10.834 0,21.643 0,42.259 cw(c0.891,42.259) 0.891,43.15 11.262,43.15 21.85,43.15 cw(c21.85,42.475) 22.525,42.475 22.525,41.106 cw(c21.844,41.106) 21.844,40.425 9.825,40.425 ccw(c9.825,38.961) 8.361,38.961 8.361,15.285 ccw(c9.481,15.285) 9.481,14.165
NetL3_1 on Layer 1 "NETL3_1_L02_P104" (solid, pour order 104): 0.691,43.8 cw(c0.691,44.491) 0,44.491 0,46.391 0,52.9 cw(c1.265,52.9) 1.265,54.165 11.275,54.165 21.034,54.165 cw(c21.035,52.65) 22.55,52.65 22.55,44.75 cw(c21.6,44.75) 21.6,43.8
GND on Layer 1 "GND_L02_P102" (solid, remove dead copper, pour order 102): 22,100.1 ccw(c20.9,100.1) 20.9,101.2 19.65,101.2 15.4,101.2 12.3,101.2 ccw(c12.3,100.05) 11.15,100.05 11.15,90.05 ccw(c12.675,90.05) 12.675,88.525 18.15,88.525 24.225,88.525 ccw(c24.225,89.45) 25.15,89.45 25.15,90.081 cw(c25.669,90.081) 25.669,90.599 27.65,90.599 ccw(c27.65,91.099) 28.15,91.099 28.15,92.45 ccw(c27.8,92.45) 27.8,92.8 23.8,92.8 cw(c23.8,94.6) 22,94.6 22,97
GND_P on Layer 1 "GND_P_L02_P101" (solid, pour order 101): 28.1,84 ccw(c28.85,84) 28.85,83.25 31.112,83.25 33.55,83.25 cw(c33.55,82.725) 34.075,82.725 34.075,80.526 cw(c33.774,80.526) 33.774,80.225 24.15,80.225 14.225,80.225 3.975,80.225 cw(c3.975,81) 3.2,81 3.2,83.988 3.2,86.6 cw(c4.35,86.6) 4.35,87.75 8.9,87.75 14.6,87.75 20.2,87.75 24.725,87.75 ccw(c24.725,88.825) 25.8,88.825 25.8,89.371 cw(c26.346,89.371) 26.346,89.916 26.95,89.916 27.793,89.916 cw(c27.793,89.61) 28.1,89.61 28.1,86.583
V1 on Layer 1 "V1_L02_P100" (solid, remove dead copper, pour order 100): 2.6,80.7 ccw(c3.793,80.7) 3.793,79.507 18.134,79.507 33.668,79.507 cw(c33.668,79.15) 34.025,79.15 34.025,76.29 34.025,73.661 cw(c33.438,73.661) 33.438,73.074 1.426,73.074 cw(c1.426,74.5) 0,74.5 0,99.7 cw(c1.5,99.7) 1.5,101.2 5.262,101.2 9.115,101.2 cw(c9.115,99.79) 10.525,99.79 10.525,89.872 cw(c9.178,89.872) 9.178,88.525 5.889,88.525 4.125,88.525 ccw(c4.125,87) 2.6,87
3V3 on Layer 2 "3V3_L03_P094" (solid, remove dead copper, pour order 94): 30.781,44.356 33.956,47.531 ccw(c32.16,49.327) 34.7,49.327 34.7,53.324 34.7,54.16 cw(c37.24,54.16) 37.24,56.7 37.6,56.7 40.5,56.7 45.1,56.7 ccw(c45.1,57.9) 46.3,57.9 46.3,61.624 46.3,66.548 ccw(c43.761,66.548) 45.556,68.344 45.266,68.634 44.232,69.668 cw(c45.334,70.771) 43.775,70.771 43.775,71.416 ccw(c38.091,71.416) 38.091,77.1 37.325,77.1 cw(c37.325,78.775) 35.65,78.775 35.65,80.45 35.65,81.784 ccw(c33.634,81.784) 33.634,83.8 31.618,83.8 30.1,83.8 cw(c30.1,85.049) 28.851,85.049 28.851,99.251 cw(c30.8,99.251) 30.8,101.2 57.389,101.2 cw(c57.39,99.19) 59.4,99.189 59.4,55.533 59.4,9.866 59.4,1.425 cw(c58,1.425) 58,0.025 42.707,0.025 25.175,0.025 cw(c25.175,1.725) 23.475,1.725 23.475,10.725 23.475,20.479 cw(c25.758,20.479) 24.144,22.094 24.812,22.762 25.374,23.324 ccw(c23.578,25.12) 26.118,25.12 26.118,31.354 26.118,38.641 cw(c28.658,38.641) 26.862,40.437
HS on Layer 2 "HS_L03_P114" (solid, pour order 114): 20.41,63.675 ccw(c20.41,66.215) 22.206,64.419 26.856,69.069 ccw(c25.06,70.865) 27.6,70.865 27.6,71.9 ccw(c27.101,71.9) 27.101,72.399 22.5,72.425 1.425,72.425 ccw(c1.425,71) 0,71 0,65.2 ccw(c1.525,65.2) 1.525,63.675 11.2,63.675
GND on Layer 2 "GND_L03_P116" (solid, remove dead copper, pour order 116): 22,100.1 ccw(c20.9,100.1) 20.9,101.2 19.65,101.2 15.4,101.2 12.3,101.2 ccw(c12.3,100.05) 11.15,100.05 11.15,90.05 ccw(c12.675,90.05) 12.675,88.525 18.15,88.525 24.225,88.525 ccw(c24.225,89.45) 25.15,89.45 25.15,90.081 cw(c25.669,90.081) 25.669,90.599 27.65,90.599 ccw(c27.65,91.099) 28.15,91.099 28.15,92.45 ccw(c27.8,92.45) 27.8,92.8 23.8,92.8 cw(c23.8,94.6) 22,94.6 22,97
V1 on Layer 2 "V1_L03_P115" (solid, remove dead copper, pour order 115): 14.596,79.507 3.793,79.507 cw(c3.793,80.7) 2.6,80.7 2.6,87.037 cw(c4.088,87.037) 4.088,88.525 9.178,88.525 ccw(c9.178,89.872) 10.525,89.872 10.525,99.79 ccw(c9.115,99.79) 9.115,101.2 5.262,101.2 1.5,101.2 ccw(c1.5,99.7) 0,99.7 0,74.5 ccw(c1.426,74.5) 1.426,73.074 26.874,73.074 ccw(c26.874,73.8) 27.6,73.8 27.6,76.29 27.6,78.5 ccw(c26.593,78.5) 26.593,79.507
GND_P on Layer 2 "GND_P_L03_P113" (solid, remove dead copper, pour order 113): 33.622,83.245 cw(c33.622,82.836) 34.03,82.836 34.03,75.164 34.03,67.083 34.03,50.471 cw(c31.492,50.471) 33.286,48.676 26.199,41.589 ccw(c27.994,39.793) 25.455,39.793 25.455,39.252 25.455,37.66 cw(c24.957,37.66) 24.957,37.162 23.822,37.162 cw(c23.83,37.761) 23.23,37.769 23.23,51.144 23.23,63.468 cw(c25.77,63.468) 23.974,65.264 27.461,68.751 ccw(c25.666,70.546) 28.205,70.547 28.205,73.587 28.205,78.941 ccw(c26.927,78.942) 26.927,80.22 3.93,80.22 cw(c3.93,80.945) 3.205,80.945 3.205,83.982 3.205,86.595 cw(c4.355,86.595) 4.355,87.745 14.455,87.745 20.13,87.745 24.722,87.745 ccw(c24.722,88.828) 25.805,88.828 25.805,89.37 cw(c26.347,89.37) 26.347,89.911 26.955,89.911 27.798,89.911 cw(c27.798,89.604) 28.105,89.604 28.105,86.65 28.105,83.995 ccw(c28.855,83.995) 28.855,83.245
NetL3_1 on Layer 2 "NETL3_1_L03_P112" (solid, pour order 112): 0.691,43.8 cw(c0.691,44.491) 0,44.491 0,46.391 0,52.9 cw(c1.265,52.9) 1.265,54.165 11.275,54.165 21.034,54.165 cw(c21.035,52.65) 22.55,52.65 22.55,44.75 cw(c21.6,44.75) 21.6,43.8
V4 on Layer 2 "V4_L03_P111" (solid, remove dead copper, pour order 111): 25.45,33.638 25.45,32.327 cw(c22.91,32.327) 24.706,30.531 22.044,27.869 ccw(c23.84,26.073) 21.3,26.073 21.3,24.106 21.3,21.088 21.3,15.99 cw(c20.36,15.99) 20.36,15.05 15.212,15.05 10.25,15.05 cw(c10.25,16.175) 9.125,16.175 9.125,28.683 9.125,38.725 cw(c10.175,38.725) 10.175,39.775 12.522,39.775 15.918,39.775 21.375,39.775 cw(c21.375,38.6) 22.55,38.6 22.55,36.944 ccw(c23.494,36.944) 23.494,36 24,36 25.15,36 cw(c25.15,35.7) 25.45,35.7
V2 on Layer 2 "V2_L03_P110" (solid, remove dead copper, pour order 110): 10.04,14.165 cw(c10.04,13.606) 10.6,13.606 10.6,1.2 cw(c9.425,1.2) 9.425,0.025 6.57,0.025 1.575,0.025 cw(c1.575,1.6) 0,1.6 0,10.834 0,21.643 0,42.259 cw(c0.891,42.259) 0.891,43.15 11.262,43.15 21.85,43.15 cw(c21.85,42.475) 22.525,42.475 22.525,41.106 cw(c21.844,41.106) 21.844,40.425 9.725,40.425 ccw(c9.725,39.061) 8.361,39.061 8.361,15.285 ccw(c9.481,15.285) 9.481,14.165
V3 on Layer 2 "V3_L03_P109" (solid, remove dead copper, pour order 109): 21.35,13.268 ccw(c20.393,13.268) 20.393,14.225 12.325,14.225 ccw(c12.325,13.15) 11.25,13.15 11.25,7.125 11.25,1.15 ccw(c12.375,1.15) 12.375,0.025 16.3,0.025 20.025,0.025 ccw(c20.025,1.35) 21.35,1.35 21.35,7.125

## Keep-outs
Keep-Out Layer:
  circle w0.254: c55.6,36.9 r3
  circle w0.254: c25.7,96.9 r3
  circle w0.254: c24.9,3.4 r3

## Silkscreen, mask and mechanical layers (free items; w line width, h text height)
Top Overlay:
  drawing of 2 lines, arcs and shapes, not listed
  text "T4" at 37.275,75 h0.8
  text "T5" at 26.05,72.05 h0.8
  text "T3" at 23.55,69.65 h0.8
  text "T2" at 38.35,60.45 h0.8
  text "T1" at 24.75,60.25 h0.8
  text "T15" at 58.25,40.65 h0.8 r90
  text "T14" at 52.05,40.55 h0.8 r90
  text "Poly" at 48.95,34.083 h1
  text "Power" at 48.95,32.65 h1
  text "Converter" at 48.85,31.25 h1
  text "T6" at 38.85,8.75 h0.8
  text "T7" at 41.35,8.75 h0.8
  text "T8" at 43.85,8.75 h0.8
  text "T9" at 46.35,8.75 h0.8
  text "T10" at 48.35,8.75 h0.8
  text "T11" at 51.35,8.75 h0.8
  text "T12" at 53.85,8.75 h0.8
  text "T13" at 56.35,8.75 h0.8
Board Outline:
  lines w0.254: 59.4,101.2 0,101.2 0,0.025 59.4,0.025 59.4,101.2 ; 59.4,101.2 59.4,101.2